# KiCad board PCB.kicad_pcb (continued)
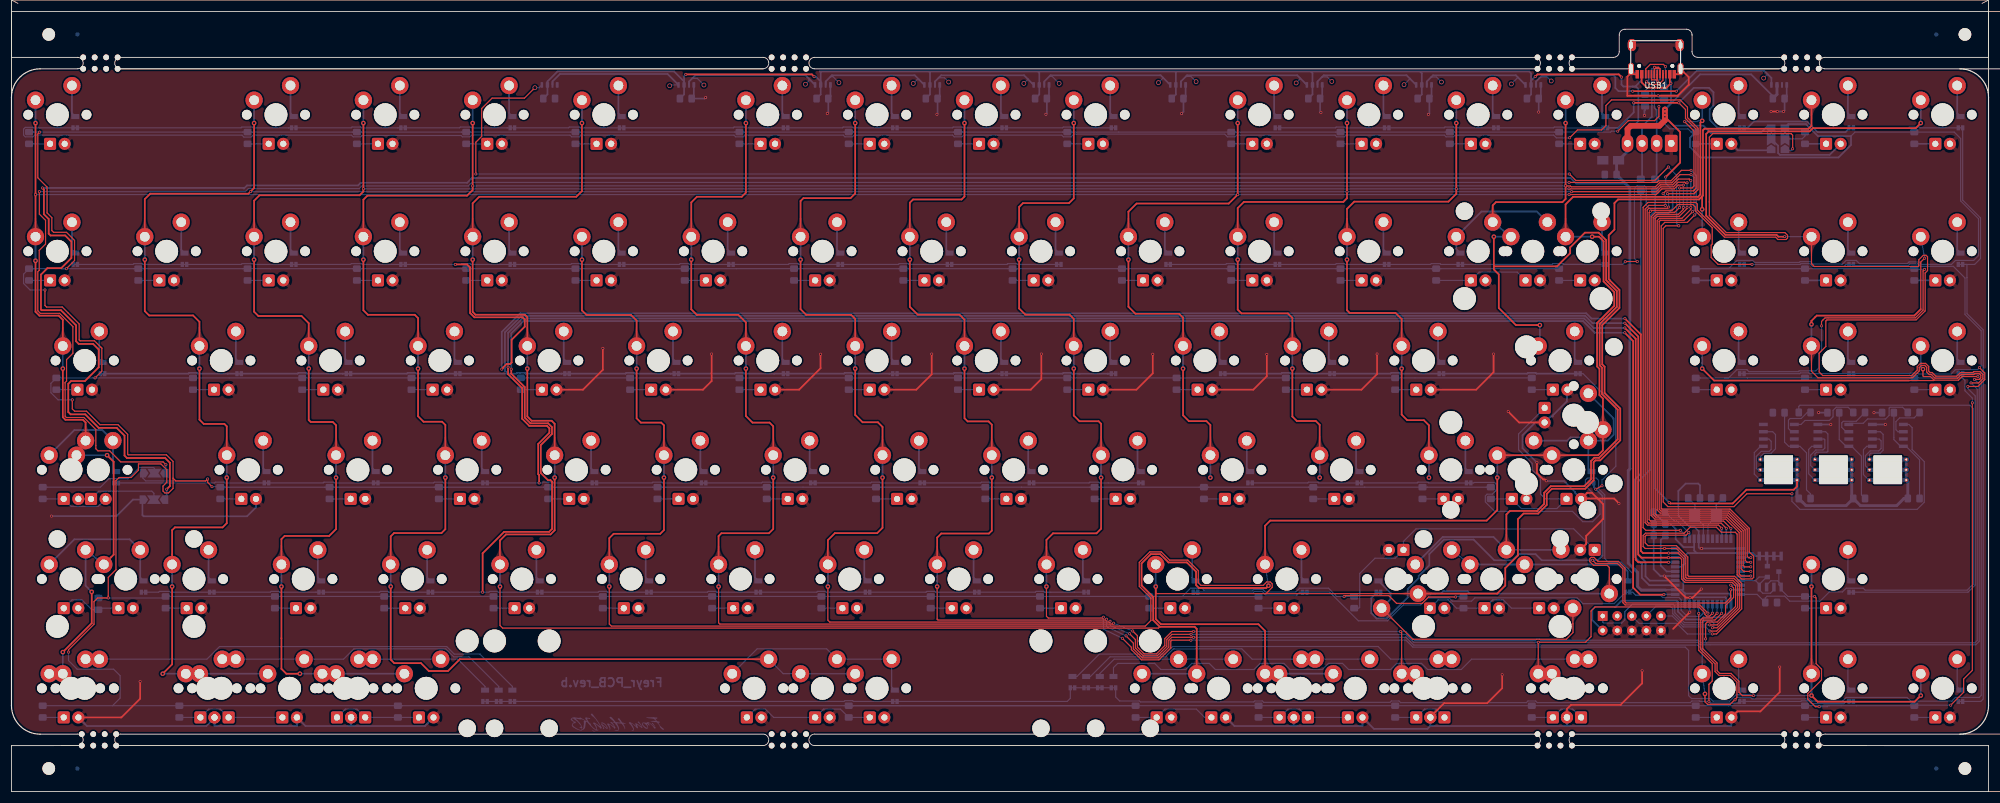
[diagram p0: board, top side]
## Copper pours and planes (outline as drawn; the poured copper is in the pictures) (continued)
/Col8 on Bottom: 266.12,20.45 266.2,20.44 266.3,20.41 266.4,20.36 266.52,20.29 266.64,20.2 266.78,20.1 266.93,19.98 267.09,19.83 267.26,19.67 267.44,19.49 269.26,20.54 267.44,21.59 267.26,21.41 267.09,21.25 266.93,21.11 266.78,20.98 266.64,20.88 266.52,20.8 266.4,20.73 266.3,20.68 266.2,20.66 266.12,20.65
/Col8 on Bottom: 268.5,20.65 268.42,20.66 268.33,20.68 268.23,20.73 268.11,20.8 267.99,20.88 267.85,20.98 267.71,21.11 267.55,21.25 267.38,21.41 267.2,21.59 265.38,20.54 267.2,19.49 267.38,19.67 267.55,19.83 267.71,19.98 267.85,20.1 267.99,20.2 268.11,20.29 268.23,20.36 268.33,20.41 268.42,20.44 268.5,20.45
/Col8 on Bottom: 313.6,80.95 313.59,80.69 313.56,80.45 313.52,80.2 313.46,79.97 313.38,79.75 313.28,79.53 313.16,79.33 313.03,79.13 312.87,78.94 312.7,78.76 313.75,76.94 314.8,78.76 314.63,78.94 314.48,79.13 314.34,79.33 314.22,79.53 314.13,79.75 314.04,79.97 313.98,80.2 313.93,80.45 313.91,80.69 313.9,80.95
/Col8 on Bottom: 151.98,55.59 151.99,55.81 152.01,56.02 152.06,56.23 152.12,56.43 152.2,56.63 152.3,56.83 152.42,57.02 152.55,57.21 152.71,57.39 152.88,57.57 151.83,59.39 150.78,57.57 150.95,57.39 151.1,57.21 151.24,57.02 151.35,56.83 151.45,56.63 151.53,56.43 151.6,56.23 151.64,56.02 151.67,55.81 151.68,55.59
/Col8 on Bottom: 147.21,74.43 147.22,74.69 147.25,74.94 147.3,75.18 147.36,75.41 147.44,75.63 147.54,75.85 147.66,76.05 147.79,76.25 147.94,76.44 148.11,76.62 147.06,78.44 146.01,76.62 146.19,76.44 146.34,76.25 146.47,76.05 146.59,75.85 146.69,75.63 146.77,75.41 146.83,75.18 146.88,74.94 146.91,74.69 146.91,74.43
/Col8 on Bottom: 137.69,93.48 137.7,93.74 137.73,93.99 137.77,94.23 137.83,94.46 137.91,94.68 138.01,94.9 138.13,95.1 138.27,95.3 138.42,95.49 138.59,95.67 137.54,97.49 136.49,95.67 136.66,95.49 136.81,95.3 136.95,95.1 137.07,94.9 137.16,94.68 137.25,94.46 137.31,94.23 137.35,93.99 137.38,93.74 137.39,93.48
/Col8 on Bottom: 147.21,117.29 147.22,117.55 147.25,117.8 147.3,118.04 147.36,118.27 147.44,118.49 147.54,118.71 147.66,118.91 147.79,119.11 147.94,119.3 148.11,119.48 147.06,121.3 146.01,119.48 146.19,119.3 146.34,119.11 146.47,118.91 146.59,118.71 146.69,118.49 146.77,118.27 146.83,118.04 146.88,117.8 146.91,117.55 146.91,117.29
/Col8 on Bottom: 142.45,36.33 142.46,36.59 142.49,36.84 142.53,37.08 142.6,37.31 142.68,37.53 142.78,37.75 142.89,37.95 143.03,38.15 143.18,38.34 143.35,38.52 142.3,40.34 141.25,38.52 141.42,38.34 141.58,38.15 141.71,37.95 141.83,37.75 141.93,37.53 142.01,37.31 142.07,37.08 142.12,36.84 142.14,36.59 142.15,36.33
/Col9 on Top: 161.2,42.85 161.19,42.59 161.17,42.34 161.12,42.1 161.06,41.87 160.98,41.65 160.88,41.43 160.76,41.23 160.63,41.03 160.47,40.84 160.3,40.66 161.35,38.84 162.4,40.66 162.23,40.84 162.08,41.03 161.94,41.23 161.83,41.43 161.73,41.65 161.65,41.87 161.58,42.1 161.54,42.34 161.51,42.59 161.5,42.85
/Col9 on Top: 170.73,61.9 170.72,61.64 170.69,61.39 170.65,61.15 170.58,60.92 170.5,60.7 170.4,60.48 170.29,60.28 170.15,60.08 170,59.89 169.83,59.71 170.88,57.89 171.93,59.71 171.76,59.89 171.6,60.08 171.47,60.28 171.35,60.48 171.25,60.7 171.17,60.92 171.11,61.15 171.06,61.39 171.04,61.64 171.03,61.9
/Col9 on Top: 165.96,80.95 165.96,80.69 165.93,80.44 165.88,80.2 165.82,79.97 165.74,79.75 165.64,79.53 165.52,79.33 165.39,79.13 165.24,78.94 165.06,78.76 166.11,76.94 167.16,78.76 166.99,78.94 166.84,79.13 166.71,79.33 166.59,79.53 166.49,79.75 166.41,79.97 166.35,80.2 166.3,80.44 166.27,80.69 166.26,80.95
/Col9 on Top: 156.44,100 156.43,99.74 156.4,99.49 156.36,99.25 156.3,99.02 156.21,98.8 156.12,98.58 156,98.38 155.86,98.18 155.71,97.99 155.54,97.81 156.59,95.99 157.64,97.81 157.47,97.99 157.32,98.18 157.18,98.38 157.06,98.58 156.96,98.8 156.88,99.02 156.82,99.25 156.78,99.49 156.75,99.74 156.74,100
/Col9 on Bottom: 332.95,74.43 332.96,74.69 332.99,74.94 333.03,75.18 333.1,75.41 333.18,75.63 333.28,75.85 333.39,76.05 333.53,76.25 333.68,76.44 333.85,76.62 332.8,78.44 331.75,76.62 331.92,76.44 332.08,76.25 332.21,76.05 332.33,75.85 332.43,75.63 332.51,75.41 332.57,75.18 332.62,74.94 332.64,74.69 332.65,74.43
/Col9 on Bottom: 294.6,22.66 294.59,22.63 294.56,22.58 294.52,22.52 294.45,22.44 294.36,22.34 294.26,22.23 294.14,22.1 293.99,21.95 293.83,21.79 293.65,21.61 294.7,19.79 295.75,21.61 295.57,21.79 295.41,21.95 295.27,22.1 295.14,22.23 295.04,22.34 294.95,22.44 294.89,22.52 294.84,22.58 294.81,22.63 294.8,22.66
/Col9 on Bottom: 295.26,17.21 295.24,17.48 295.23,17.74 295.24,18 295.27,18.25 295.33,18.49 295.4,18.73 295.49,18.96 295.6,19.19 295.74,19.41 295.89,19.62 294.6,21.28 293.81,19.33 294.01,19.17 294.2,19 294.37,18.81 294.52,18.61 294.66,18.4 294.77,18.18 294.87,17.95 294.95,17.7 295.02,17.45 295.07,17.18
/Col9 on Bottom: 171.03,55.38 171.04,55.64 171.06,55.89 171.11,56.13 171.17,56.36 171.25,56.58 171.35,56.8 171.47,57 171.6,57.2 171.76,57.39 171.93,57.57 170.88,59.39 169.83,57.57 170,57.39 170.15,57.2 170.29,57 170.4,56.8 170.5,56.58 170.58,56.36 170.65,56.13 170.69,55.89 170.72,55.64 170.73,55.38
/Col9 on Bottom: 294.85,74.43 294.86,74.69 294.89,74.94 294.93,75.18 295,75.41 295.08,75.63 295.18,75.85 295.29,76.05 295.43,76.25 295.58,76.44 295.75,76.62 294.7,78.44 293.65,76.62 293.82,76.44 293.98,76.25 294.11,76.05 294.23,75.85 294.33,75.63 294.41,75.41 294.47,75.18 294.52,74.94 294.54,74.69 294.55,74.43
/Col9 on Bottom: 166.26,74.43 166.27,74.69 166.3,74.94 166.35,75.18 166.41,75.41 166.49,75.63 166.59,75.85 166.71,76.05 166.84,76.25 166.99,76.44 167.16,76.62 166.11,78.44 165.06,76.62 165.24,76.44 165.39,76.25 165.52,76.05 165.64,75.85 165.74,75.63 165.82,75.41 165.88,75.18 165.93,74.94 165.96,74.69 165.96,74.43
/Col9 on Bottom: 156.74,93.48 156.75,93.74 156.78,93.99 156.82,94.23 156.88,94.46 156.96,94.68 157.06,94.9 157.18,95.1 157.32,95.3 157.47,95.49 157.64,95.67 156.59,97.49 155.54,95.67 155.71,95.49 155.86,95.3 156,95.1 156.12,94.9 156.21,94.68 156.3,94.46 156.36,94.23 156.4,93.99 156.43,93.74 156.44,93.48
/Col9 on Bottom: 166.26,117.29 166.27,117.55 166.3,117.8 166.35,118.04 166.41,118.27 166.49,118.49 166.59,118.71 166.71,118.91 166.84,119.11 166.99,119.3 167.16,119.48 166.11,121.3 165.06,119.48 165.24,119.3 165.39,119.11 165.52,118.91 165.64,118.71 165.74,118.49 165.82,118.27 165.88,118.04 165.93,117.8 165.96,117.55 165.96,117.29
/Col9 on Bottom: 161.5,36.33 161.51,36.59 161.54,36.84 161.58,37.08 161.65,37.31 161.73,37.53 161.83,37.75 161.94,37.95 162.08,38.15 162.23,38.34 162.4,38.52 161.35,40.34 160.3,38.52 160.47,38.34 160.63,38.15 160.76,37.95 160.88,37.75 160.98,37.53 161.06,37.31 161.12,37.08 161.17,36.84 161.19,36.59 161.2,36.33
/Col10 on Top: 313.6,23.8 313.59,23.54 313.57,23.29 313.52,23.05 313.46,22.82 313.38,22.6 313.28,22.38 313.16,22.18 313.03,21.98 312.87,21.79 312.7,21.61 313.75,19.79 314.8,21.61 314.63,21.79 314.48,21.98 314.34,22.18 314.23,22.38 314.13,22.6 314.05,22.82 313.98,23.05 313.94,23.29 313.91,23.54 313.9,23.8
/Col10 on Top: 180.25,42.85 180.24,42.59 180.22,42.34 180.17,42.1 180.11,41.87 180.03,41.65 179.93,41.43 179.81,41.23 179.68,41.03 179.52,40.84 179.35,40.66 180.4,38.84 181.45,40.66 181.28,40.84 181.13,41.03 180.99,41.23 180.88,41.43 180.78,41.65 180.7,41.87 180.63,42.1 180.59,42.34 180.56,42.59 180.55,42.85
/Col10 on Top: 189.78,61.9 189.77,61.64 189.74,61.39 189.7,61.15 189.63,60.92 189.55,60.7 189.45,60.48 189.34,60.28 189.2,60.08 189.05,59.89 188.88,59.71 189.93,57.89 190.98,59.71 190.81,59.89 190.65,60.08 190.52,60.28 190.4,60.48 190.3,60.7 190.22,60.92 190.16,61.15 190.11,61.39 190.09,61.64 190.08,61.9
/Col10 on Top: 185.01,80.95 185.01,80.69 184.98,80.44 184.93,80.2 184.87,79.97 184.79,79.75 184.69,79.53 184.57,79.33 184.44,79.13 184.29,78.94 184.11,78.76 185.16,76.94 186.21,78.76 186.04,78.94 185.89,79.13 185.76,79.33 185.64,79.53 185.54,79.75 185.46,79.97 185.4,80.2 185.35,80.44 185.32,80.69 185.31,80.95
/Col10 on Top: 175.49,100 175.48,99.74 175.45,99.49 175.41,99.25 175.35,99.02 175.26,98.8 175.17,98.58 175.05,98.38 174.91,98.18 174.76,97.99 174.59,97.81 175.64,95.99 176.69,97.81 176.52,97.99 176.37,98.18 176.23,98.38 176.11,98.58 176.01,98.8 175.93,99.02 175.87,99.25 175.83,99.49 175.8,99.74 175.79,100
/Col10 on Bottom: 190.08,55.38 190.09,55.64 190.11,55.89 190.16,56.13 190.22,56.36 190.3,56.58 190.4,56.8 190.52,57 190.65,57.2 190.81,57.39 190.98,57.57 189.93,59.39 188.88,57.57 189.05,57.39 189.2,57.2 189.34,57 189.45,56.8 189.55,56.58 189.63,56.36 189.7,56.13 189.74,55.89 189.77,55.64 189.78,55.38
/Col10 on Bottom: 185.31,74.43 185.32,74.69 185.35,74.94 185.4,75.18 185.46,75.41 185.54,75.63 185.64,75.85 185.76,76.05 185.89,76.25 186.04,76.44 186.21,76.62 185.16,78.44 184.11,76.62 184.29,76.44 184.44,76.25 184.57,76.05 184.69,75.85 184.79,75.63 184.87,75.41 184.93,75.18 184.98,74.94 185.01,74.69 185.01,74.43
/Col10 on Bottom: 175.79,93.48 175.8,93.74 175.83,93.99 175.87,94.23 175.93,94.46 176.01,94.68 176.11,94.9 176.23,95.1 176.37,95.3 176.52,95.49 176.69,95.67 175.64,97.49 174.59,95.67 174.76,95.49 174.91,95.3 175.05,95.1 175.17,94.9 175.26,94.68 175.35,94.46 175.41,94.23 175.45,93.99 175.48,93.74 175.49,93.48
/Col10 on Bottom: 185.31,117.29 185.32,117.55 185.35,117.8 185.4,118.04 185.46,118.27 185.54,118.49 185.64,118.71 185.76,118.91 185.89,119.11 186.04,119.3 186.21,119.48 185.16,121.3 184.11,119.48 184.29,119.3 184.44,119.11 184.57,118.91 184.69,118.71 184.79,118.49 184.87,118.27 184.93,118.04 184.98,117.8 185.01,117.55 185.01,117.29
/Col10 on Bottom: 313.9,17.28 313.91,17.54 313.94,17.79 313.98,18.03 314.05,18.26 314.13,18.48 314.23,18.7 314.34,18.9 314.48,19.1 314.63,19.29 314.8,19.47 313.75,21.29 312.7,19.47 312.87,19.29 313.03,19.1 313.16,18.9 313.28,18.7 313.38,18.48 313.46,18.26 313.52,18.03 313.57,17.79 313.59,17.54 313.6,17.28
/Col10 on Bottom: 332.95,17.28 332.96,17.54 332.99,17.79 333.03,18.03 333.1,18.26 333.18,18.48 333.28,18.7 333.39,18.9 333.53,19.1 333.68,19.29 333.85,19.47 332.8,21.29 331.75,19.47 331.92,19.29 332.08,19.1 332.21,18.9 332.33,18.7 332.43,18.48 332.51,18.26 332.57,18.03 332.62,17.79 332.64,17.54 332.65,17.28
/Col10 on Bottom: 313.9,36.33 313.91,36.59 313.94,36.84 313.98,37.08 314.05,37.31 314.13,37.53 314.23,37.75 314.34,37.95 314.48,38.15 314.63,38.34 314.8,38.52 313.75,40.34 312.7,38.52 312.87,38.34 313.03,38.15 313.16,37.95 313.28,37.75 313.38,37.53 313.46,37.31 313.52,37.08 313.57,36.84 313.59,36.59 313.6,36.33
/Col10 on Bottom: 180.55,36.33 180.56,36.59 180.59,36.84 180.63,37.08 180.7,37.31 180.78,37.53 180.88,37.75 180.99,37.95 181.13,38.15 181.28,38.34 181.45,38.52 180.4,40.34 179.35,38.52 179.52,38.34 179.68,38.15 179.81,37.95 179.93,37.75 180.03,37.53 180.11,37.31 180.17,37.08 180.22,36.84 180.24,36.59 180.25,36.33
/D+ on Bottom: 286.91,110.96 286.92,111.12 286.94,111.27 286.96,111.42 287,111.56 287.05,111.69 287.11,111.83 287.18,111.95 287.27,112.07 287.36,112.19 287.46,112.3 286.76,113.51 286.06,112.3 286.17,112.19 286.26,112.07 286.34,111.95 286.42,111.83 286.48,111.69 286.53,111.56 286.56,111.42 286.59,111.27 286.61,111.12 286.61,110.96
/D+ on Bottom: 286.61,115.06 286.61,114.91 286.59,114.76 286.56,114.61 286.53,114.47 286.48,114.33 286.42,114.2 286.34,114.07 286.26,113.95 286.17,113.84 286.06,113.73 286.76,112.51 287.46,113.73 287.36,113.84 287.27,113.95 287.18,114.07 287.11,114.2 287.05,114.33 287,114.47 286.96,114.61 286.94,114.76 286.92,114.91 286.91,115.06
/D- on Bottom: 284.07,115.06 284.07,114.91 284.05,114.76 284.02,114.61 283.99,114.47 283.94,114.33 283.88,114.2 283.8,114.07 283.72,113.95 283.63,113.84 283.52,113.73 284.22,112.51 284.92,113.73 284.82,113.84 284.73,113.95 284.64,114.07 284.57,114.2 284.51,114.33 284.46,114.47 284.42,114.61 284.4,114.76 284.38,114.91 284.37,115.06
/D- on Bottom: 284.37,110.96 284.38,111.12 284.4,111.27 284.42,111.42 284.46,111.56 284.51,111.69 284.57,111.83 284.64,111.95 284.73,112.07 284.82,112.19 284.92,112.3 284.22,113.51 283.52,112.3 283.63,112.19 283.72,112.07 283.8,111.95 283.88,111.83 283.94,111.69 283.99,111.56 284.02,111.42 284.05,111.27 284.07,111.12 284.07,110.96
/reset on Bottom: 283.79,29.4 283.69,29.51 283.6,29.61 283.53,29.73 283.46,29.84 283.41,29.96 283.36,30.08 283.33,30.21 283.3,30.34 283.29,30.47 283.29,30.6 282.14,30.91 282.44,29.76 282.58,29.76 282.71,29.75 282.84,29.72 282.97,29.69 283.09,29.64 283.21,29.59 283.32,29.52 283.44,29.45 283.54,29.36 283.65,29.26
/Row3 on Bottom: 286.19,31.96 286.08,31.87 285.98,31.78 285.86,31.71 285.75,31.64 285.63,31.59 285.51,31.54 285.38,31.51 285.25,31.48 285.12,31.47 284.98,31.46 284.68,30.31 285.83,30.62 285.83,30.76 285.84,30.89 285.87,31.02 285.9,31.15 285.95,31.27 286,31.39 286.07,31.5 286.14,31.61 286.23,31.72 286.33,31.82
Net-(D2-Pad2) on Bottom: 10.69,119.83 10.7,120.09 10.73,120.34 10.77,120.58 10.83,120.81 10.91,121.03 11.01,121.25 11.13,121.45 11.27,121.65 11.42,121.84 11.59,122.02 10.54,123.84 9.49,122.02 9.66,121.84 9.81,121.65 9.95,121.45 10.07,121.25 10.16,121.03 10.25,120.81 10.31,120.58 10.35,120.34 10.38,120.09 10.39,119.83
Net-(D3-Pad1) on Bottom: 4.44,112.83 4.62,112.83 4.79,112.81 4.96,112.78 5.12,112.73 5.28,112.67 5.43,112.6 5.58,112.52 5.72,112.43 5.85,112.32 5.98,112.2 7.25,112.93 5.98,113.67 5.85,113.55 5.72,113.44 5.58,113.34 5.43,113.26 5.28,113.19 5.12,113.13 4.96,113.09 4.79,113.06 4.62,113.04 4.44,113.03
Net-(D4-Pad2) on Bottom: 10.69,96.02 10.7,96.28 10.73,96.53 10.77,96.77 10.83,97 10.91,97.22 11.01,97.44 11.13,97.64 11.27,97.84 11.42,98.03 11.59,98.21 10.54,100.03 9.49,98.21 9.66,98.03 9.81,97.84 9.95,97.64 10.07,97.44 10.16,97.22 10.25,97 10.31,96.77 10.35,96.53 10.38,96.28 10.39,96.02
Net-(D5-Pad2) on Bottom: 15.45,76.97 15.46,77.23 15.49,77.48 15.53,77.72 15.6,77.95 15.68,78.17 15.78,78.39 15.89,78.59 16.03,78.79 16.18,78.98 16.35,79.16 15.3,80.98 14.25,79.16 14.42,78.98 14.58,78.79 14.71,78.59 14.83,78.39 14.93,78.17 15.01,77.95 15.07,77.72 15.12,77.48 15.14,77.23 15.15,76.97
Net-(D6-Pad2) on Bottom: 15.73,62.92 15.82,62.82 15.9,62.7 15.96,62.57 16.02,62.42 16.08,62.26 16.12,62.08 16.15,61.88 16.17,61.67 16.18,61.44 16.18,61.19 18.21,60.65 17.67,62.68 17.42,62.68 17.2,62.69 16.98,62.72 16.79,62.75 16.61,62.79 16.44,62.84 16.29,62.9 16.16,62.97 16.04,63.05 15.94,63.14
Net-(D6-Pad2) on Bottom: 17.83,57.92 17.84,58.18 17.87,58.43 17.91,58.67 17.98,58.9 18.06,59.12 18.16,59.34 18.27,59.54 18.41,59.74 18.56,59.93 18.73,60.11 17.68,61.93 16.63,60.11 16.8,59.93 16.96,59.74 17.09,59.54 17.21,59.34 17.31,59.12 17.39,58.9 17.45,58.67 17.5,58.43 17.52,58.18 17.53,57.92
Net-(D7-Pad2) on Bottom: 22.6,38.87 22.6,39.13 22.63,39.38 22.68,39.62 22.74,39.85 22.82,40.07 22.92,40.29 23.04,40.49 23.17,40.69 23.32,40.88 23.5,41.06 22.45,42.88 21.4,41.06 21.57,40.88 21.72,40.69 21.85,40.49 21.97,40.29 22.07,40.07 22.15,39.85 22.21,39.62 22.26,39.38 22.29,39.13 22.3,38.87
Net-(D7-Pad2) on Bottom: 8.77,42 8.58,41.83 8.39,41.67 8.18,41.53 7.98,41.41 7.76,41.31 7.54,41.23 7.31,41.17 7.08,41.12 6.83,41.1 6.59,41.09 6.04,39.06 8.07,39.6 8.08,39.85 8.1,40.1 8.15,40.33 8.21,40.56 8.29,40.78 8.39,41 8.51,41.2 8.65,41.41 8.81,41.6 8.98,41.79
Net-(D8-Pad2) on Bottom: 18.68,23.18 18.41,23.19 18.15,23.22 17.9,23.27 17.65,23.33 17.42,23.42 17.19,23.52 16.97,23.65 16.76,23.79 16.56,23.95 16.37,24.13 14.55,23.08 16.37,22.03 16.56,22.21 16.76,22.37 16.97,22.51 17.19,22.64 17.42,22.74 17.65,22.83 17.9,22.89 18.15,22.94 18.41,22.97 18.68,22.98
Net-(D8-Pad2) on Bottom: 15.3,23.18 15.22,23.19 15.13,23.22 15.02,23.27 14.91,23.33 14.78,23.42 14.65,23.52 14.5,23.65 14.34,23.79 14.17,23.95 13.99,24.13 12.17,23.08 13.99,22.03 14.17,22.21 14.34,22.37 14.5,22.51 14.65,22.64 14.78,22.74 14.91,22.83 15.02,22.89 15.13,22.94 15.22,22.97 15.3,22.98
Net-(D8-Pad2) on Bottom: 12.92,22.98 13,22.97 13.09,22.94 13.2,22.89 13.31,22.83 13.44,22.74 13.57,22.64 13.72,22.51 13.88,22.37 14.05,22.21 14.23,22.03 16.05,23.08 14.23,24.13 14.05,23.95 13.88,23.79 13.72,23.65 13.57,23.52 13.44,23.42 13.31,23.33 13.2,23.27 13.09,23.22 13,23.19 12.92,23.18
Net-(D9-Pad2) on Bottom: 239.29,119.83 239.3,120.09 239.33,120.34 239.37,120.58 239.43,120.81 239.51,121.03 239.61,121.25 239.73,121.45 239.87,121.65 240.02,121.84 240.19,122.02 239.14,123.84 238.09,122.02 238.26,121.84 238.41,121.65 238.55,121.45 238.67,121.25 238.76,121.03 238.85,120.81 238.91,120.58 238.95,120.34 238.98,120.09 238.99,119.83
Net-(D10-Pad2) on Bottom: 201.19,96.02 201.2,96.28 201.23,96.53 201.27,96.77 201.33,97 201.41,97.22 201.51,97.44 201.63,97.64 201.77,97.84 201.92,98.03 202.09,98.21 201.04,100.03 199.99,98.21 200.16,98.03 200.31,97.84 200.45,97.64 200.57,97.44 200.66,97.22 200.75,97 200.81,96.77 200.85,96.53 200.88,96.28 200.89,96.02
Net-(D11-Pad2) on Bottom: 210.71,76.97 210.72,77.23 210.75,77.48 210.8,77.72 210.86,77.95 210.94,78.17 211.04,78.39 211.16,78.59 211.29,78.79 211.44,78.98 211.61,79.16 210.56,80.98 209.51,79.16 209.69,78.98 209.84,78.79 209.97,78.59 210.09,78.39 210.19,78.17 210.27,77.95 210.33,77.72 210.38,77.48 210.41,77.23 210.41,76.97
Net-(D12-Pad2) on Bottom: 48.79,119.83 48.8,120.09 48.83,120.34 48.87,120.58 48.93,120.81 49.01,121.03 49.11,121.25 49.23,121.45 49.37,121.65 49.52,121.84 49.69,122.02 48.64,123.84 47.59,122.02 47.76,121.84 47.91,121.65 48.05,121.45 48.17,121.25 48.26,121.03 48.35,120.81 48.41,120.58 48.45,120.34 48.48,120.09 48.49,119.83
Net-(D13-Pad2) on Bottom: 29.74,96.02 29.75,96.28 29.78,96.53 29.82,96.77 29.88,97 29.96,97.22 30.06,97.44 30.18,97.64 30.32,97.84 30.47,98.03 30.64,98.21 29.59,100.03 28.54,98.21 28.71,98.03 28.86,97.84 29,97.64 29.12,97.44 29.21,97.22 29.3,97 29.36,96.77 29.4,96.53 29.43,96.28 29.44,96.02
Net-(D14-Pad2) on Bottom: 39.26,76.97 39.27,77.23 39.3,77.48 39.35,77.72 39.41,77.95 39.49,78.17 39.59,78.39 39.71,78.59 39.84,78.79 39.99,78.98 40.16,79.16 39.11,80.98 38.06,79.16 38.24,78.98 38.39,78.79 38.52,78.59 38.64,78.39 38.74,78.17 38.82,77.95 38.88,77.72 38.93,77.48 38.96,77.23 38.96,76.97
Net-(D15-Pad2) on Bottom: 44.03,57.92 44.04,58.18 44.06,58.43 44.11,58.67 44.17,58.9 44.25,59.12 44.35,59.34 44.47,59.54 44.6,59.74 44.76,59.93 44.93,60.11 43.88,61.93 42.83,60.11 43,59.93 43.15,59.74 43.29,59.54 43.4,59.34 43.5,59.12 43.58,58.9 43.65,58.67 43.69,58.43 43.72,58.18 43.73,57.92
Net-(D16-Pad2) on Bottom: 34.5,38.87 34.51,39.13 34.54,39.38 34.58,39.62 34.65,39.85 34.73,40.07 34.83,40.29 34.94,40.49 35.08,40.69 35.23,40.88 35.4,41.06 34.35,42.88 33.3,41.06 33.47,40.88 33.63,40.69 33.76,40.49 33.88,40.29 33.98,40.07 34.06,39.85 34.12,39.62 34.17,39.38 34.19,39.13 34.2,38.87
Net-(D17-Pad2) on Bottom: 39.11,23.18 39.03,23.19 38.94,23.22 38.84,23.27 38.72,23.33 38.6,23.42 38.46,23.52 38.31,23.65 38.15,23.79 37.98,23.95 37.8,24.13 35.98,23.08 37.8,22.03 37.98,22.21 38.15,22.37 38.31,22.51 38.46,22.64 38.6,22.74 38.72,22.83 38.84,22.89 38.94,22.94 39.03,22.97 39.11,22.98
Net-(D17-Pad2) on Bottom: 36.73,22.98 36.81,22.97 36.91,22.94 37.01,22.89 37.12,22.83 37.25,22.74 37.39,22.64 37.53,22.51 37.69,22.37 37.86,22.21 38.04,22.03 39.86,23.08 38.04,24.13 37.86,23.95 37.69,23.79 37.53,23.65 37.39,23.52 37.25,23.42 37.12,23.33 37.01,23.27 36.91,23.22 36.81,23.19 36.73,23.18
Net-(D17-Pad2) on Bottom: 47.64,22.98 47.91,22.97 48.17,22.94 48.43,22.89 48.67,22.83 48.91,22.74 49.13,22.64 49.35,22.51 49.56,22.37 49.76,22.21 49.95,22.03 51.77,23.08 49.95,24.13 49.76,23.95 49.56,23.79 49.35,23.65 49.13,23.52 48.91,23.42 48.67,23.33 48.43,23.27 48.17,23.22 47.91,23.19 47.64,23.18
Net-(D17-Pad2) on Bottom: 42.49,23.18 42.22,23.19 41.96,23.22 41.71,23.27 41.46,23.33 41.23,23.42 41,23.52 40.78,23.65 40.58,23.79 40.38,23.95 40.19,24.13 38.36,23.08 40.19,22.03 40.38,22.21 40.58,22.37 40.78,22.51 41,22.64 41.23,22.74 41.46,22.83 41.71,22.89 41.96,22.94 42.22,22.97 42.49,22.98
Net-(D17-Pad2) on Bottom: 54.4,23.18 54.13,23.19 53.87,23.22 53.61,23.27 53.37,23.33 53.13,23.42 52.91,23.52 52.69,23.65 52.48,23.79 52.28,23.95 52.09,24.13 50.27,23.08 52.09,22.03 52.28,22.21 52.48,22.37 52.69,22.51 52.91,22.64 53.13,22.74 53.37,22.83 53.61,22.89 53.87,22.94 54.13,22.97 54.4,22.98
Net-(D18-Pad2) on Bottom: 258.34,119.83 258.35,120.09 258.38,120.34 258.42,120.58 258.48,120.81 258.56,121.03 258.66,121.25 258.78,121.45 258.92,121.65 259.07,121.84 259.24,122.02 258.19,123.84 257.14,122.02 257.31,121.84 257.46,121.65 257.6,121.45 257.72,121.25 257.81,121.03 257.9,120.81 257.96,120.58 258,120.34 258.03,120.09 258.04,119.83
Net-(D19-Pad2) on Bottom: 220.24,96.02 220.25,96.28 220.28,96.53 220.32,96.77 220.38,97 220.46,97.22 220.56,97.44 220.68,97.64 220.82,97.84 220.97,98.03 221.14,98.21 220.09,100.03 219.04,98.21 219.21,98.03 219.36,97.84 219.5,97.64 219.62,97.44 219.71,97.22 219.8,97 219.86,96.77 219.9,96.53 219.93,96.28 219.94,96.02
Net-(D20-Pad2) on Bottom: 229.76,76.97 229.77,77.23 229.8,77.48 229.85,77.72 229.91,77.95 229.99,78.17 230.09,78.39 230.21,78.59 230.34,78.79 230.49,78.98 230.66,79.16 229.61,80.98 228.56,79.16 228.74,78.98 228.89,78.79 229.02,78.59 229.14,78.39 229.24,78.17 229.32,77.95 229.38,77.72 229.43,77.48 229.46,77.23 229.46,76.97
Net-(D21-Pad2) on Bottom: 67.84,119.83 67.85,120.09 67.88,120.34 67.92,120.58 67.98,120.81 68.06,121.03 68.16,121.25 68.28,121.45 68.42,121.65 68.57,121.84 68.74,122.02 67.69,123.84 66.64,122.02 66.81,121.84 66.96,121.65 67.1,121.45 67.22,121.25 67.31,121.03 67.4,120.81 67.46,120.58 67.5,120.34 67.53,120.09 67.54,119.83
Net-(D22-Pad2) on Bottom: 48.79,96.02 48.8,96.28 48.83,96.53 48.87,96.77 48.93,97 49.01,97.22 49.11,97.44 49.23,97.64 49.37,97.84 49.52,98.03 49.69,98.21 48.64,100.03 47.59,98.21 47.76,98.03 47.91,97.84 48.05,97.64 48.17,97.44 48.26,97.22 48.35,97 48.41,96.77 48.45,96.53 48.48,96.28 48.49,96.02
Net-(D23-Pad2) on Bottom: 58.31,76.97 58.32,77.23 58.35,77.48 58.4,77.72 58.46,77.95 58.54,78.17 58.64,78.39 58.76,78.59 58.89,78.79 59.04,78.98 59.21,79.16 58.16,80.98 57.11,79.16 57.29,78.98 57.44,78.79 57.57,78.59 57.69,78.39 57.79,78.17 57.87,77.95 57.93,77.72 57.98,77.48 58.01,77.23 58.01,76.97
Net-(D24-Pad2) on Bottom: 63.08,57.92 63.09,58.18 63.11,58.43 63.16,58.67 63.22,58.9 63.3,59.12 63.4,59.34 63.52,59.54 63.65,59.74 63.81,59.93 63.98,60.11 62.93,61.93 61.88,60.11 62.05,59.93 62.2,59.74 62.34,59.54 62.45,59.34 62.55,59.12 62.63,58.9 62.7,58.67 62.74,58.43 62.77,58.18 62.78,57.92
Net-(D25-Pad2) on Bottom: 53.55,38.87 53.56,39.13 53.59,39.38 53.63,39.62 53.7,39.85 53.78,40.07 53.88,40.29 53.99,40.49 54.13,40.69 54.28,40.88 54.45,41.06 53.4,42.88 52.35,41.06 52.52,40.88 52.68,40.69 52.81,40.49 52.93,40.29 53.03,40.07 53.11,39.85 53.17,39.62 53.22,39.38 53.24,39.13 53.25,38.87
Net-(D26-Pad2) on Bottom: 77.79,23.18 77.6,23.19 77.41,23.22 77.22,23.27 77.03,23.33 76.84,23.42 76.65,23.52 76.46,23.65 76.28,23.79 76.09,23.95 75.9,24.13 74.08,23.08 75.9,22.03 76.09,22.21 76.28,22.37 76.46,22.51 76.65,22.64 76.84,22.74 77.03,22.83 77.22,22.89 77.41,22.94 77.6,22.97 77.79,22.98
Net-(D26-Pad2) on Bottom: 60.55,22.98 60.63,22.97 60.72,22.94 60.82,22.89 60.94,22.83 61.06,22.74 61.2,22.64 61.35,22.51 61.51,22.37 61.67,22.21 61.86,22.03 63.68,23.08 61.86,24.13 61.67,23.95 61.51,23.79 61.35,23.65 61.2,23.52 61.06,23.42 60.94,23.33 60.82,23.27 60.72,23.22 60.63,23.19 60.55,23.18
Net-(D26-Pad2) on Bottom: 62.93,23.18 62.85,23.19 62.75,23.22 62.65,23.27 62.54,23.33 62.41,23.42 62.27,23.52 62.13,23.65 61.97,23.79 61.8,23.95 61.62,24.13 59.8,23.08 61.62,22.03 61.8,22.21 61.97,22.37 62.13,22.51 62.27,22.64 62.41,22.74 62.54,22.83 62.65,22.89 62.75,22.94 62.85,22.97 62.93,22.98
Net-(D26-Pad2) on Bottom: 66.31,23.18 66.04,23.19 65.77,23.22 65.52,23.27 65.28,23.33 65.04,23.42 64.81,23.52 64.6,23.65 64.39,23.79 64.19,23.95 64,24.13 62.18,23.08 64,22.03 64.19,22.21 64.39,22.37 64.6,22.51 64.81,22.64 65.04,22.74 65.28,22.83 65.52,22.89 65.77,22.94 66.04,22.97 66.31,22.98
Net-(D26-Pad2) on Bottom: 71.45,22.98 71.72,22.97 71.99,22.94 72.24,22.89 72.48,22.83 72.72,22.74 72.95,22.64 73.16,22.51 73.37,22.37 73.57,22.21 73.76,22.03 75.58,23.08 73.76,24.13 73.57,23.95 73.37,23.79 73.16,23.65 72.95,23.52 72.72,23.42 72.48,23.33 72.24,23.27 71.99,23.22 71.72,23.19 71.45,23.18
Net-(D27-Pad2) on Bottom: 277.39,119.83 277.4,120.09 277.43,120.34 277.47,120.58 277.53,120.81 277.61,121.03 277.71,121.25 277.83,121.45 277.97,121.65 278.12,121.84 278.29,122.02 277.24,123.84 276.19,122.02 276.36,121.84 276.51,121.65 276.65,121.45 276.77,121.25 276.86,121.03 276.95,120.81 277.01,120.58 277.05,120.34 277.08,120.09 277.09,119.83
Net-(D28-Pad2) on Bottom: 239.29,96.02 239.3,96.28 239.33,96.53 239.37,96.77 239.43,97 239.51,97.22 239.61,97.44 239.73,97.64 239.87,97.84 240.02,98.03 240.19,98.21 239.14,100.03 238.09,98.21 238.26,98.03 238.41,97.84 238.55,97.64 238.67,97.44 238.76,97.22 238.85,97 238.91,96.77 238.95,96.53 238.98,96.28 238.99,96.02
Net-(D29-Pad2) on Bottom: 248.81,76.97 248.82,77.23 248.85,77.48 248.9,77.72 248.96,77.95 249.04,78.17 249.14,78.39 249.26,78.59 249.39,78.79 249.54,78.98 249.71,79.16 248.66,80.98 247.61,79.16 247.79,78.98 247.94,78.79 248.07,78.59 248.19,78.39 248.29,78.17 248.37,77.95 248.43,77.72 248.48,77.48 248.51,77.23 248.51,76.97
